# Altium PCB ARES_R06_Power.PcbDoc (part 1 of 4) (continued)
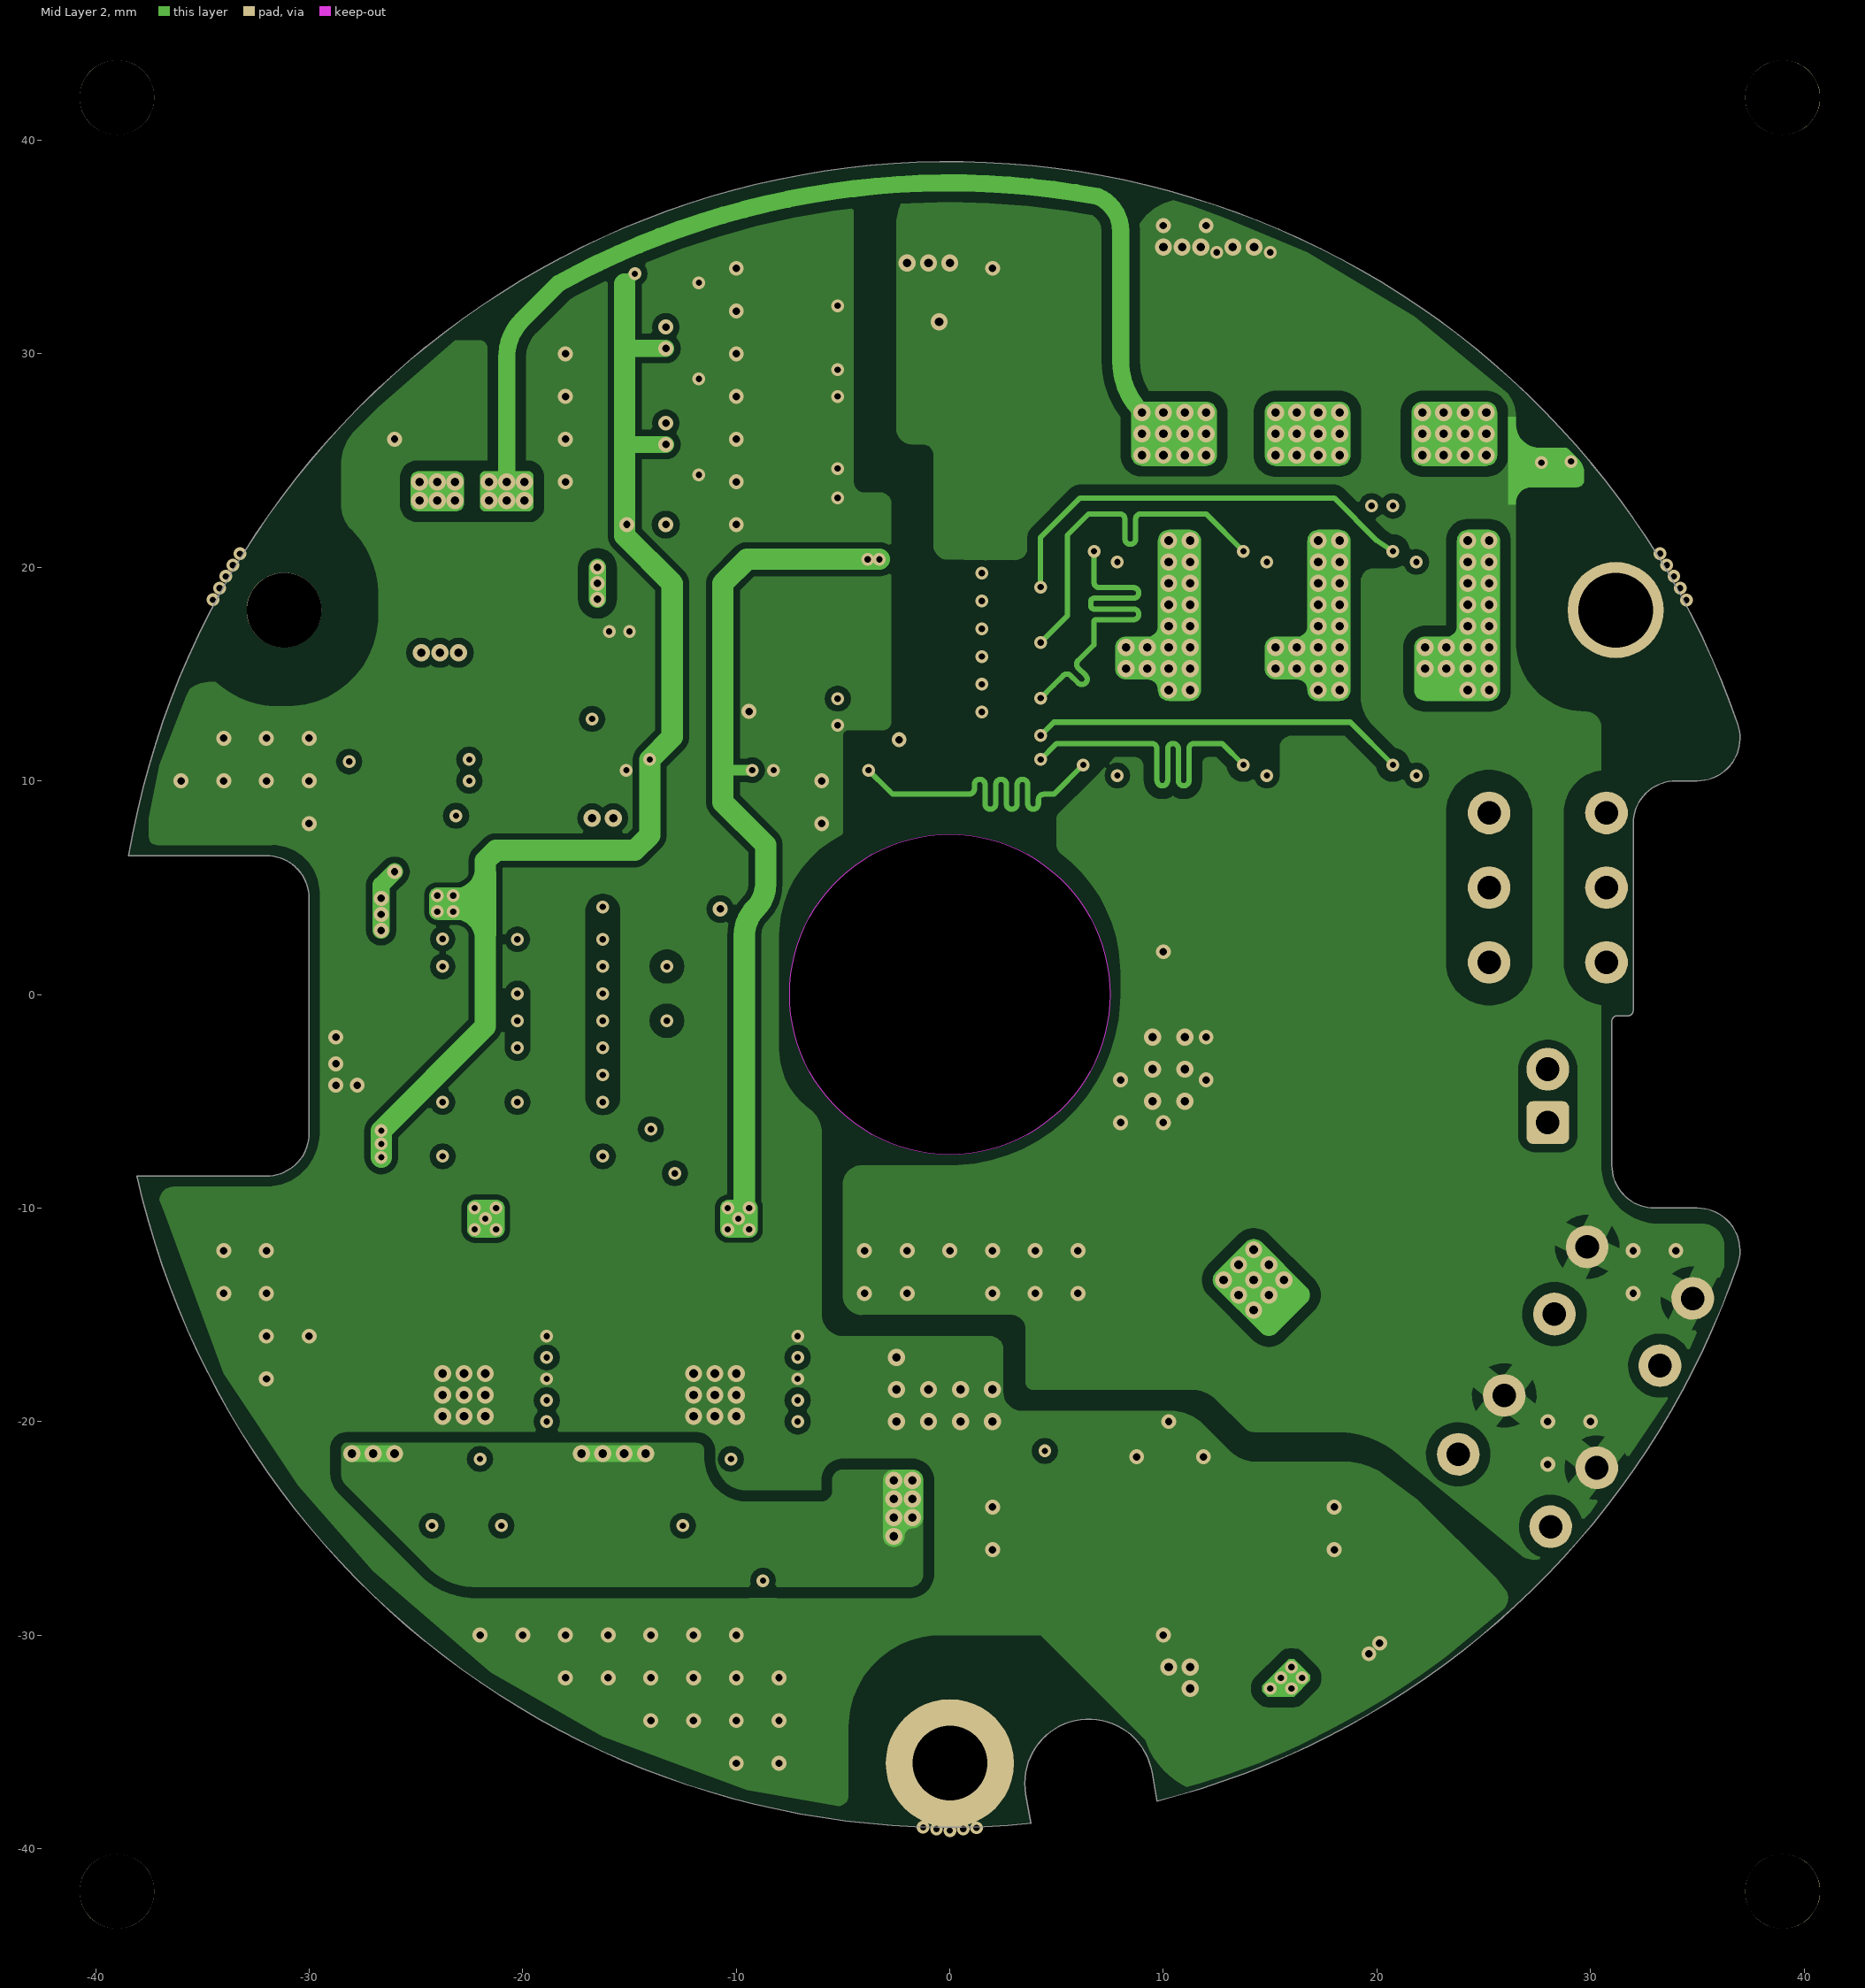
[diagram p3: Mid Layer 2]
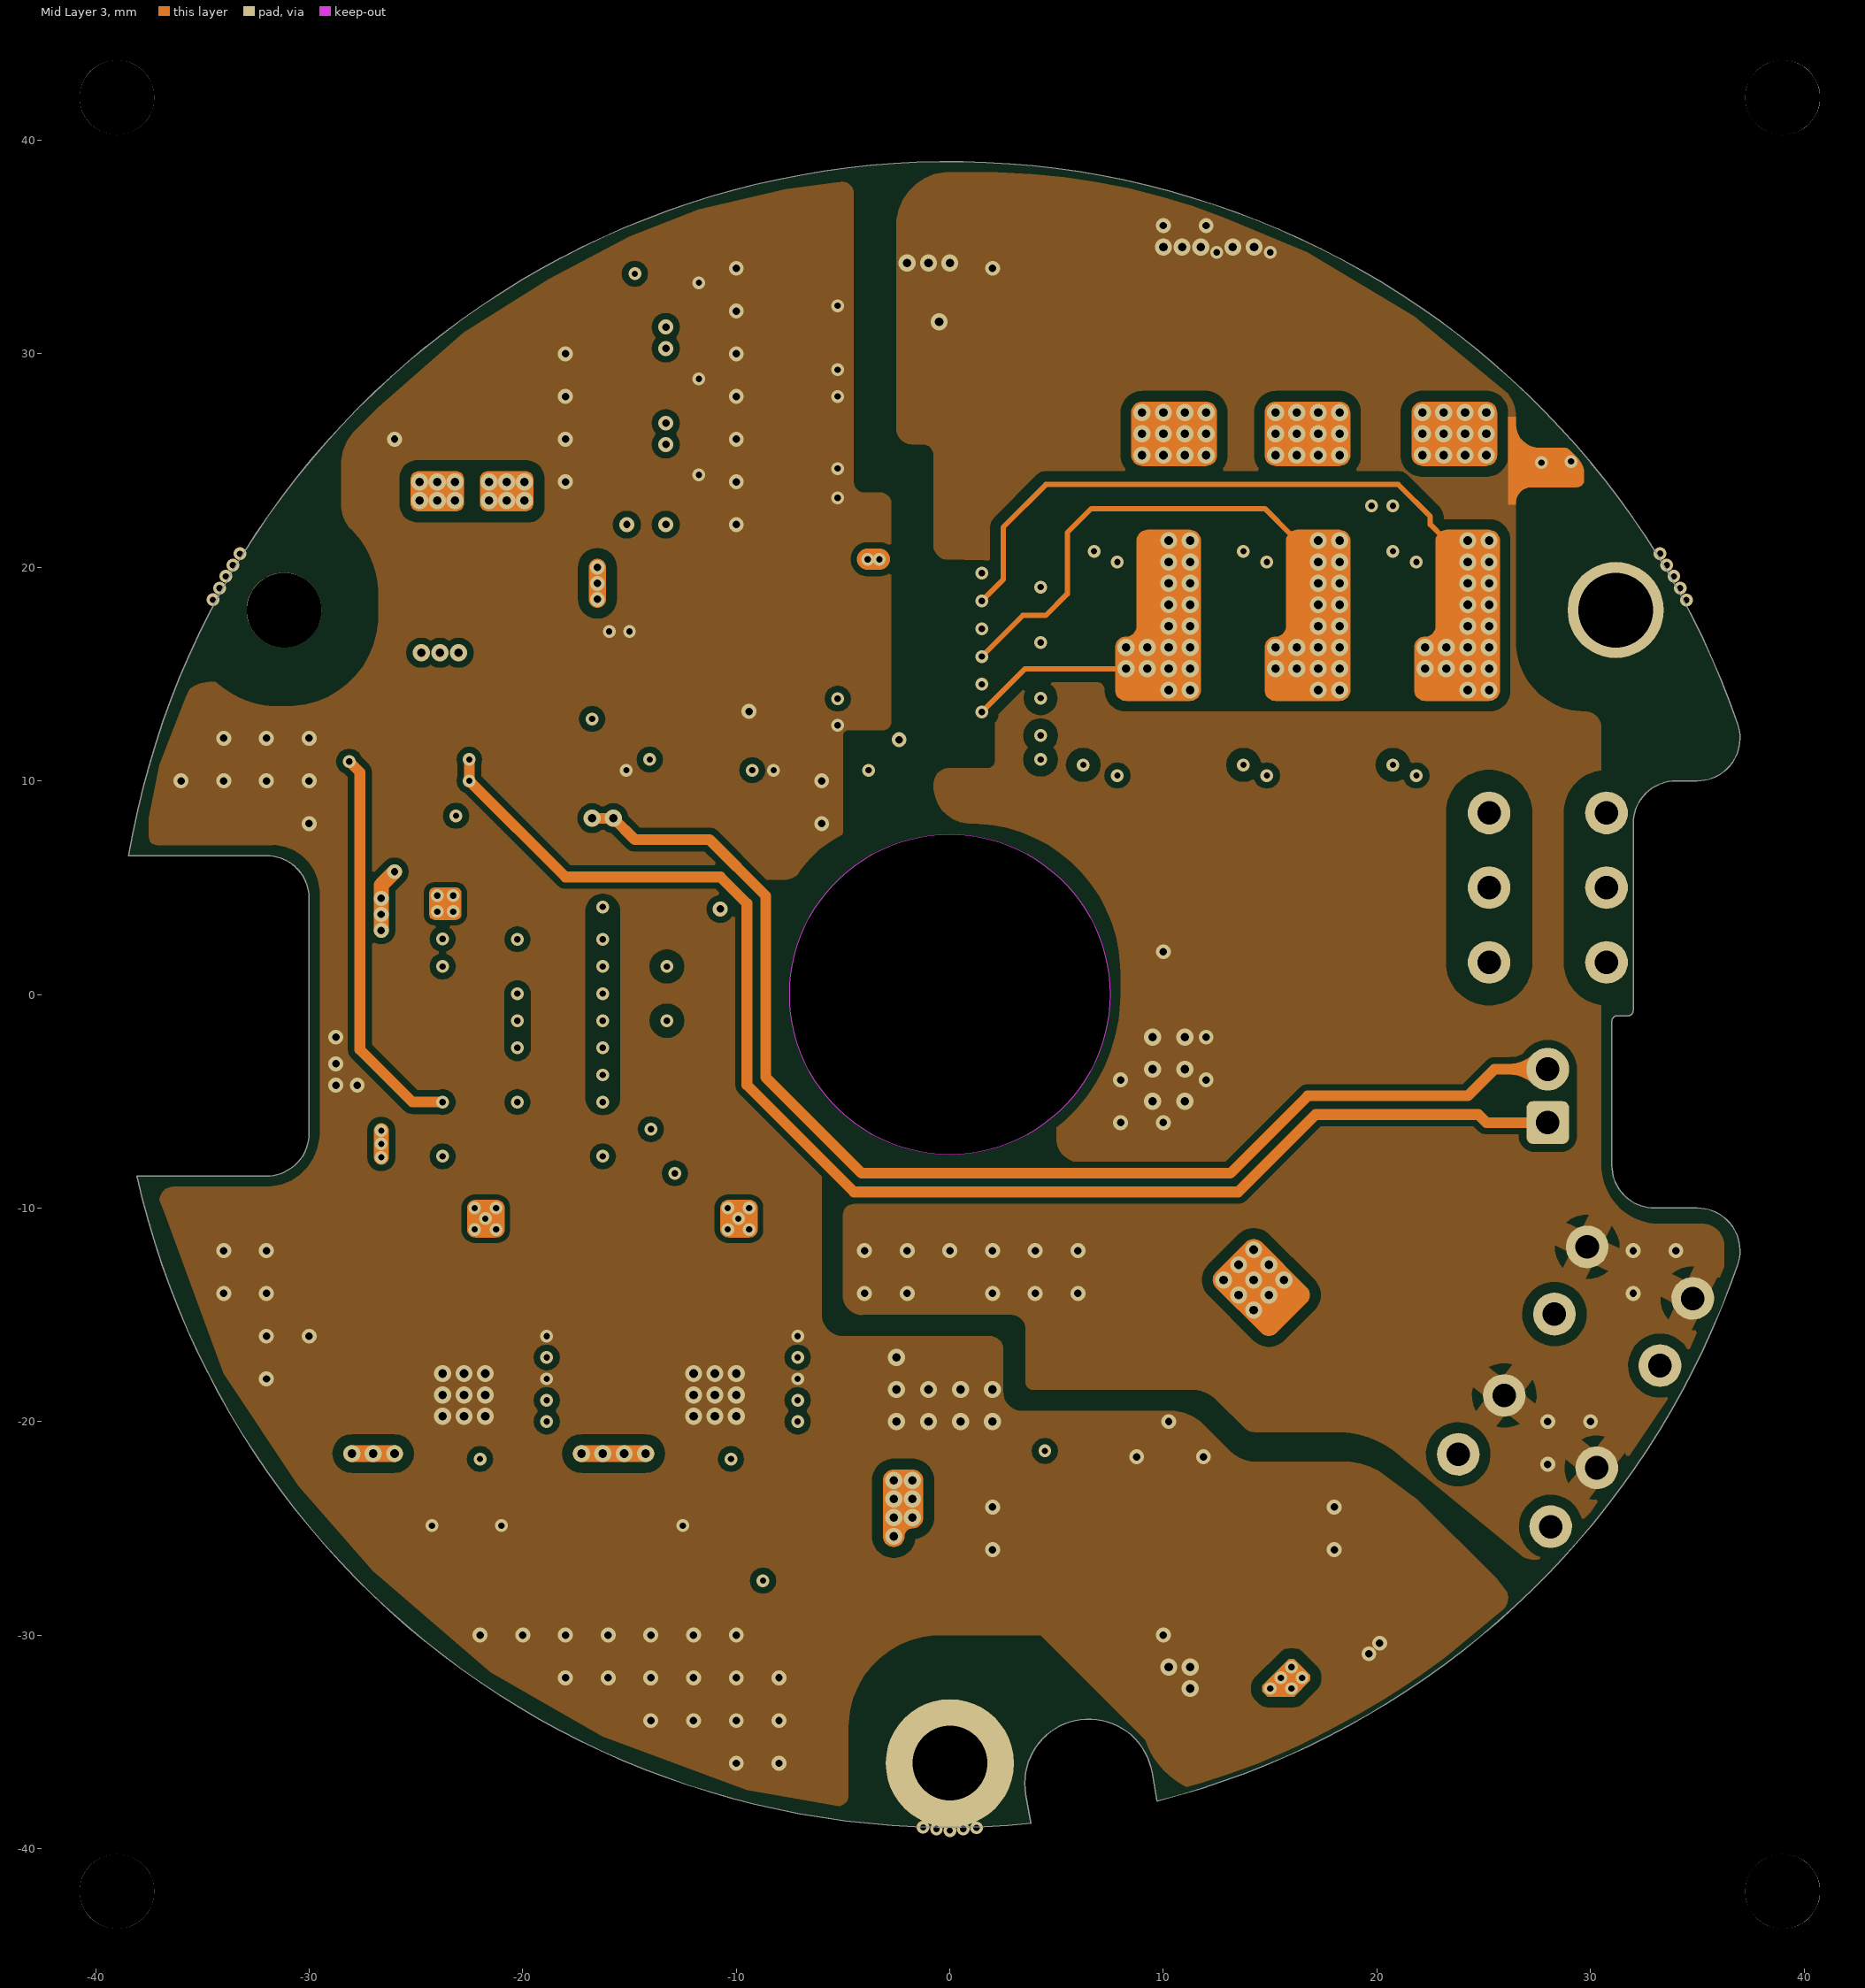
[diagram p4: Mid Layer 3]
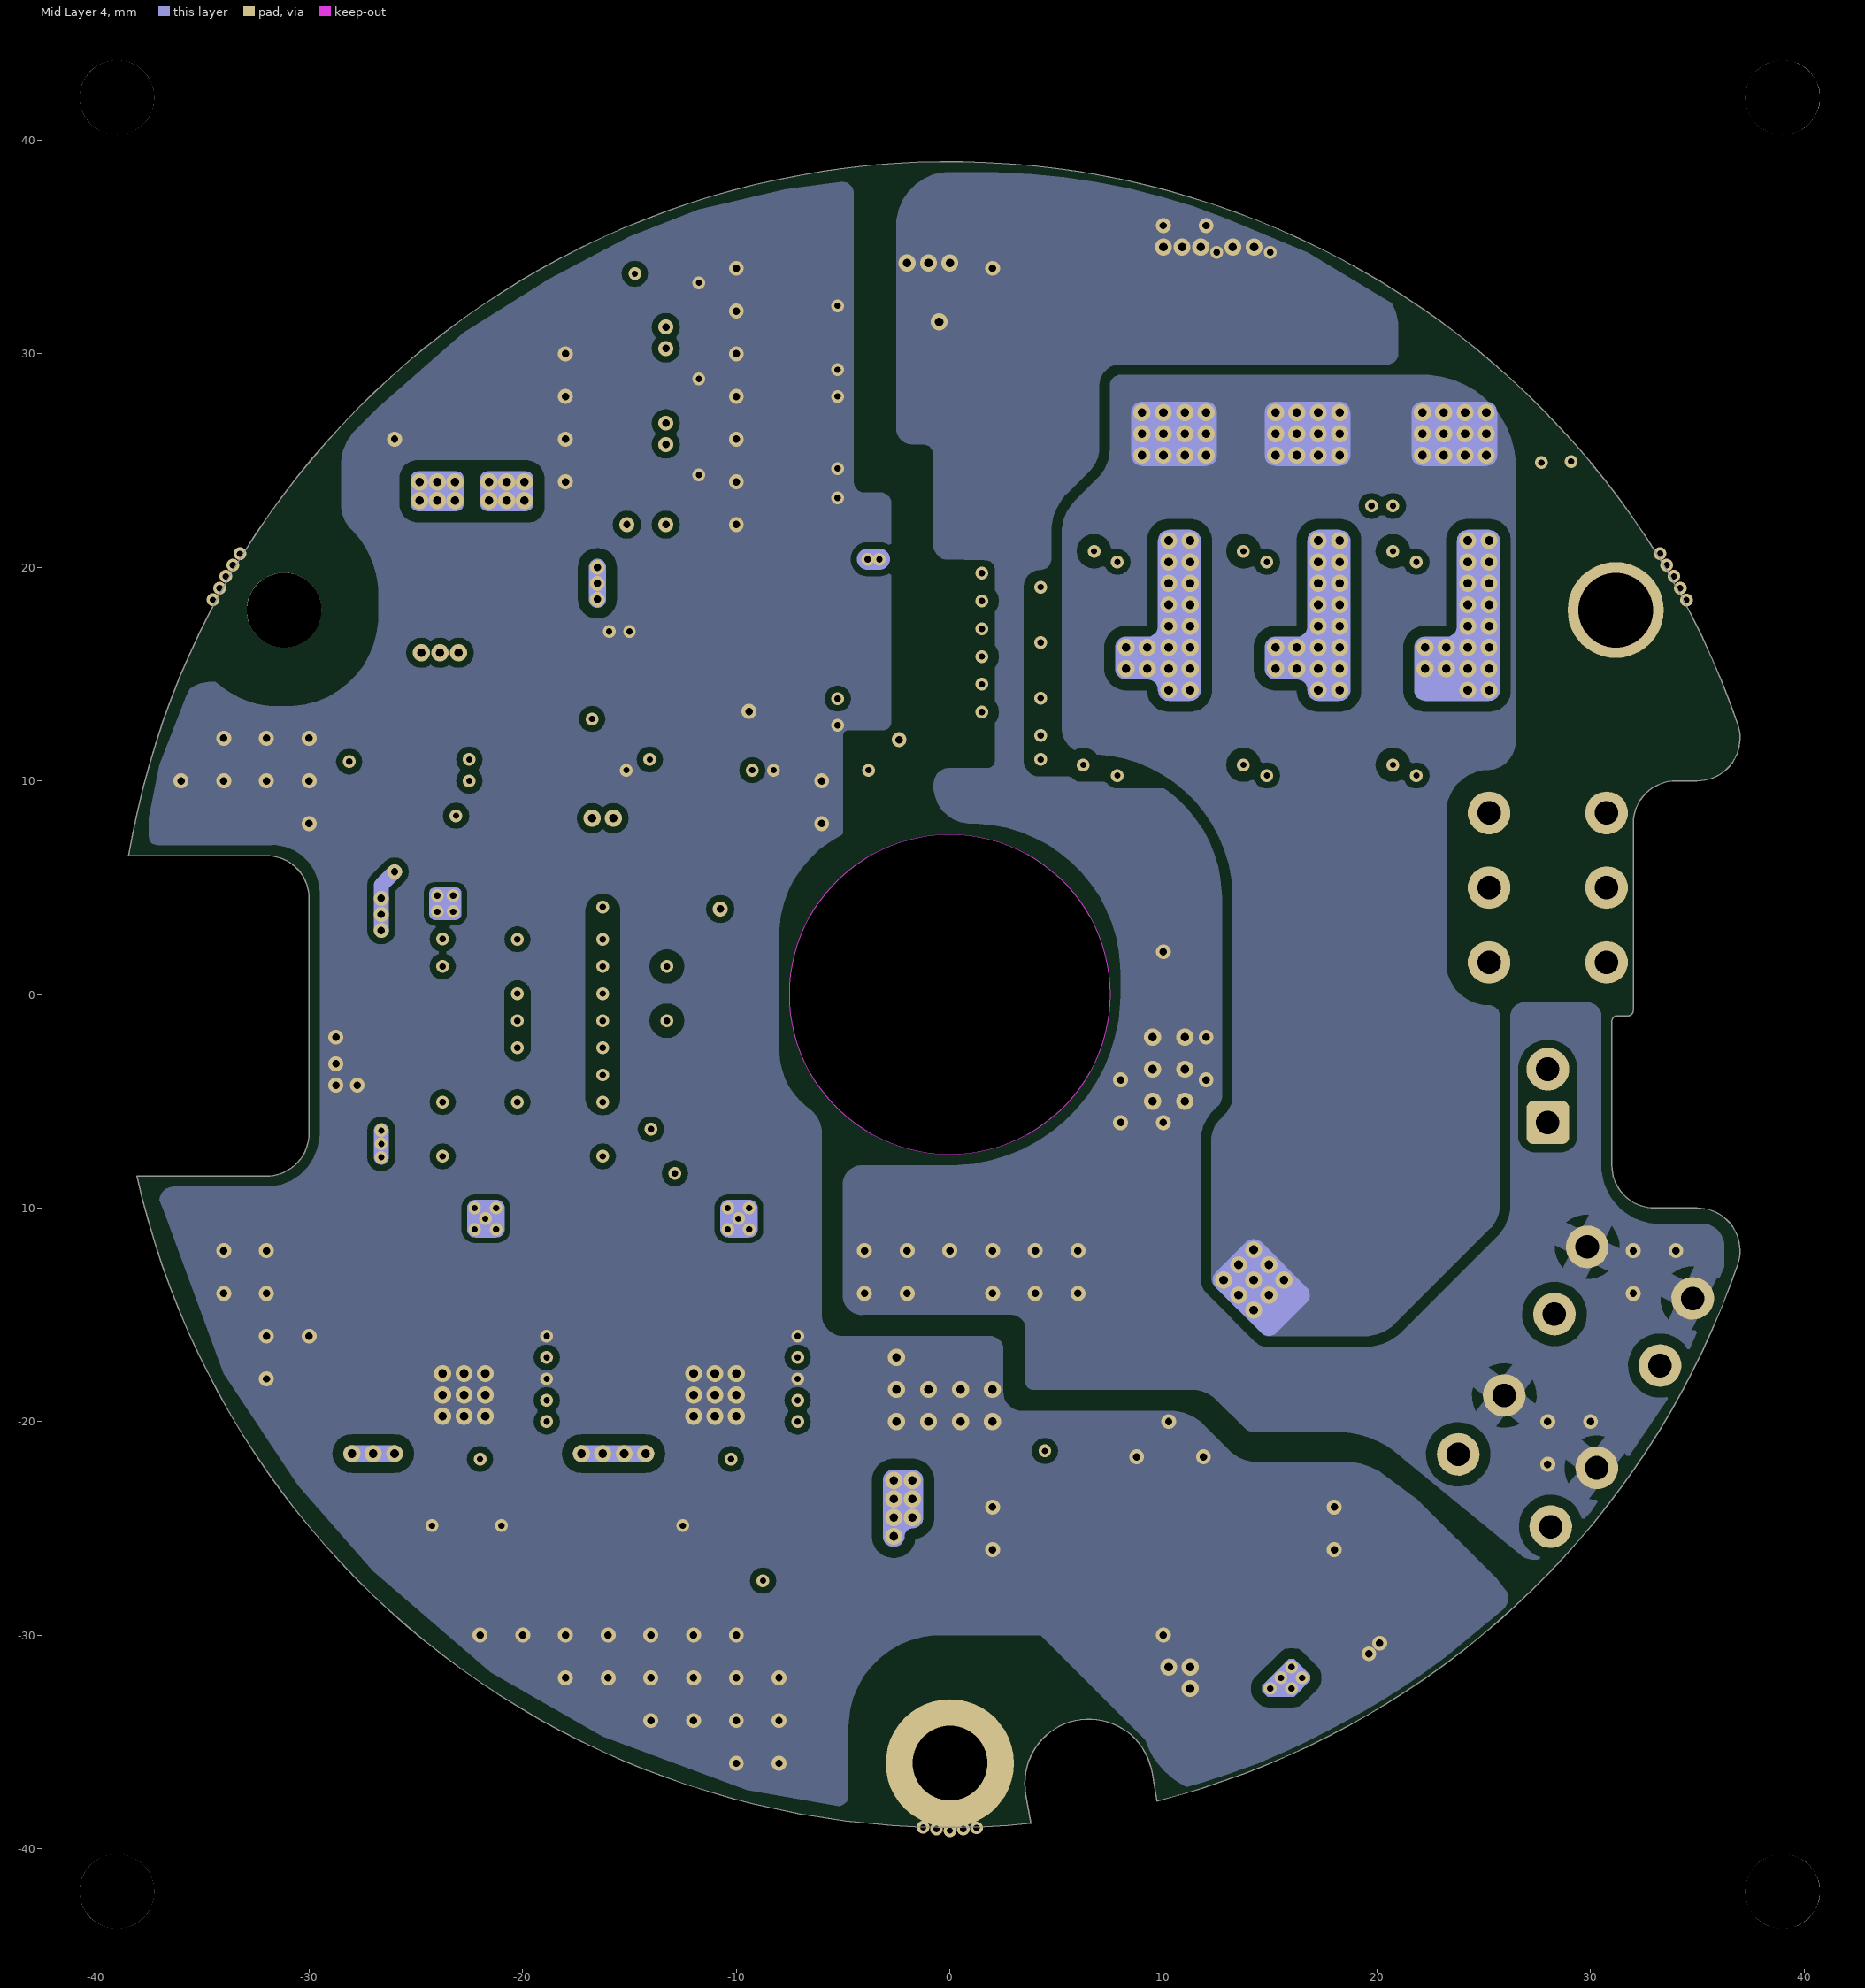
[diagram p5: Mid Layer 4]

## Layer stack, top to bottom
Top Solder: solder mask 0.01, Solder Resist, Dk 3.5
Top Layer: signal copper 0.035
Dielectric 1: prepreg 0.25, FR-4, Dk 4.2
Mid Layer 1: signal copper 0.035
Dielectric 3: core 0.25, Dk 4.2
Mid Layer 2: signal copper 0.035
Dielectric 4: prepreg 0.37, Dk 4.2
Mid Layer 3: signal copper 0.035
Dielectric 5: core 0.25, Dk 4.2
Mid Layer 4: signal copper 0.035
Dielectric 2: prepreg 0.25, Dk 4.2
Bottom Layer: signal copper 0.035
Bottom Solder: solder mask 0.01, Solder Resist, Dk 3.5

## Board outline
-38.062,-8.5 ccw(c0,0) 3.798,-38.815 3.557,-37.451 cw(c6.512,-36.93) 9.466,-36.409 9.707,-37.773 ccw(c0,0) 36.892,-12.649 ccw(c35,-12) 35,-10 33,-10 cw(c33,-8) 31,-8 31,-1.25 cw(c31.25,-1.25) 31.25,-1 31.75,-1 ccw(c31.75,-0.75) 32,-0.75 32,8 cw(c34,8) 34,10 35,10 ccw(c35,12) 36.892,12.649 ccw(c0,0) -38.455,6.5 -32,6.5 cw(c-32,4.5) -30,4.5 -30,-6.5 cw(c-32,-6.5) -32,-8.5
cut-out: 0,-7.5 cw(c0,0) -7.5,0 cw(c0,0) 0,7.5 cw(c0,0) 7.5,0 cw(c0,0)

## Design rules (kind name [scope] priority, off if disabled: settings)
Clearance Clearance_Mechanical4 [OnLayer('Mechanical 4') vs InPolygon] p1: gap=0.5 ignorepadtopadclearanceinfootprint=FALSE
Clearance Clearance_PWM [InNetClass('PWM') vs InPolygon] p2: gap=0.5 ignorepadtopadclearanceinfootprint=FALSE
Clearance Clearance_24V [InNet('V24in') OR InNet('NetC113_2') OR InNet('V24C') vs InPolygon] p3: gap=0.5 ignorepadtopadclearanceinfootprint=FALSE
Clearance Clearance_48V [InNet('V48in') OR InNet('V48P') OR InNet('NetDCLink_1') OR InNet('PGND') vs InPolygon] p4: gap=0.5 ignorepadtopadclearanceinfootprint=FALSE except(0: Arc-Hole Track-Hole SMDPad-Hole THPad-Hole Via-Hole Fill-Hole Poly-Hole Region-Hole Text-Hole)
Clearance Clearance_MOT [InNetClass('MOT_Nets') vs InPolygon] p5: gap=1 ignorepadtopadclearanceinfootprint=FALSE except(0: Arc-Hole Track-Hole SMDPad-Hole THPad-Hole Via-Hole Fill-Hole Poly-Hole Region-Hole Text-Hole)
Clearance Clearance_FG [InNet('FG') vs InPolygon] p6: gap=1 ignorepadtopadclearanceinfootprint=FALSE
Clearance Clearance_motor [InNetClass('PWM') vs InPolygon] p7: gap=0.65 ignorepadtopadclearanceinfootprint=FALSE
Clearance Clearance_Keepout [OnLayer('Keep-Out Layer') vs InPolygon] p8: gap=1 ignorepadtopadclearanceinfootprint=FALSE
Clearance Clearance_U7 [InComponent('U0101') or InComponent('U0202')] p9: gap=0.25 ignorepadtopadclearanceinfootprint=FALSE except(0.2: Arc-SMDPad Track-SMDPad Track-Via SMDPad-SMDPad; 0.35: Arc-Poly Track-Poly SMDPad-Poly THPad-Poly Via-Poly Fill-Poly Poly-Poly)
Clearance [All] p10: gap=0.2 ignorepadtopadclearanceinfootprint=FALSE except(0: Arc-Hole Track-Hole SMDPad-Hole THPad-Hole Via-Hole Fill-Hole Poly-Hole Region-Hole Text-Hole; 0.15: SMDPad-SMDPad; 0.25: Arc-Region Arc-Text Track-Region Track-Text SMDPad-Text THPad-Region THPad-Text Via-Region Via-Text Fill-Text Poly-Region Poly-Text Region-Region Region-Text Text-Text; 0.3: Arc-Poly Track-Poly SMDPad-Poly THPad-Poly Via-Poly Fill-Poly Poly-Poly)
DiffPairsRouting [All] p1: maxlimit=0.5 minlimit=0.25 mostfreqgap=0.254 toplayer_prefgap=0.35 toplayer_minwidth=0.25 toplayer_maxwidth=0.5 toplayer_prefwidth=0.35 midlayer1_mingap=0.254 midlayer1_maxgap=0.254 midlayer1_minwidth=0.381 midlayer1_maxwidth=0.381 midlayer1_prefwidth=0.381 midlayer2_mingap=0.254 midlayer2_maxgap=0.254 midlayer2_minwidth=0.381 midlayer2_maxwidth=0.381 midlayer2_prefwidth=0.381 midlayer3_mingap=0.254 midlayer3_maxgap=0.254 midlayer3_minwidth=0.381 midlayer3_maxwidth=0.381 midlayer3_prefwidth=0.381 midlayer4_mingap=0.254 midlayer4_maxgap=0.254 midlayer4_minwidth=0.381 midlayer4_maxwidth=0.381 midlayer4_prefwidth=0.381 bottomlayer_prefgap=0.35 bottomlayer_minwidth=0.25 bottomlayer_maxwidth=0.5 bottomlayer_prefwidth=0.35 substack1={D1FC8DB9-57B8-4EFE-B1BD-9587D9824D8E} toplayer_{d1fc8db9-57b8-4efe-b1bd-9587d9824d8e}_minwidth=0.381 toplayer_{d1fc8db9-57b8-4efe-b1bd-9587d9824d8e}_maxwidth=0.381 toplayer_{d1fc8db9-57b8-4efe-b1bd-9587d9824d8e}_prefwidth=0.381 midlayer1_{d1fc8db9-57b8-4efe-b1bd-9587d9824d8e}_minwidth=0.381 midlayer1_{d1fc8db9-57b8-4efe-b1bd-9587d9824d8e}_maxwidth=0.381 midlayer1_{d1fc8db9-57b8-4efe-b1bd-9587d9824d8e}_prefwidth=0.381 midlayer2_{d1fc8db9-57b8-4efe-b1bd-9587d9824d8e}_minwidth=0.381 midlayer2_{d1fc8db9-57b8-4efe-b1bd-9587d9824d8e}_maxwidth=0.381 midlayer2_{d1fc8db9-57b8-4efe-b1bd-9587d9824d8e}_prefwidth=0.381 midlayer3_{d1fc8db9-57b8-4efe-b1bd-9587d9824d8e}_minwidth=0.381 midlayer3_{d1fc8db9-57b8-4efe-b1bd-9587d9824d8e}_maxwidth=0.381 midlayer3_{d1fc8db9-57b8-4efe-b1bd-9587d9824d8e}_prefwidth=0.381 midlayer4_{d1fc8db9-57b8-4efe-b1bd-9587d9824d8e}_minwidth=0.381 midlayer4_{d1fc8db9-57b8-4efe-b1bd-9587d9824d8e}_maxwidth=0.381 midlayer4_{d1fc8db9-57b8-4efe-b1bd-9587d9824d8e}_prefwidth=0.381 bottomlayer_{d1fc8db9-57b8-4efe-b1bd-9587d9824d8e}_minwidth=0.381 bottomlayer_{d1fc8db9-57b8-4efe-b1bd-9587d9824d8e}_maxwidth=0.381 bottomlayer_{d1fc8db9-57b8-4efe-b1bd-9587d9824d8e}_prefwidth=0.381 maxuncoupledlength=0.5
HoleSize [All] p1 off: absolutevalues=TRUE maxlimit=3.5 minlimit=0.025 maxpercent=80.000 minpercent=20.000
HoleToHoleClearance [All] p1: gap=0.2 allowstackedmicrovias=TRUE
MinimumSolderMaskSliver [All] p1 off: minsoldermaskwidth=0.254
PasteMaskExpansion [All] p1 off: expansion=0
PlaneClearance PlaneClearance_Via [IsVia] p1: clearance=0.3
PlaneClearance [All] p2: clearance=0.5
PlaneConnect [All] p1: pad.planeconnectstyle=Relief pad.reliefexpansion=0.25 pad.reliefentries=4 pad.reliefconductorwidth=0.35 pad.reliefairgap=0.25 via.planeconnectstyle=Direct via.reliefexpansion=0.25 via.reliefentries=4 via.reliefconductorwidth=0.35 via.reliefairgap=0.25
PolygonConnect PolygonConnect_TB2 [InComponent('VPin') OR InComponent('VPout') or InComponent('VCout') or InComponent('VCin')] p1: thpad.connectstyle=Relief thpad.reliefconductorwidth=1.2 thpad.reliefentries=4 thpad.polygonreliefangle="90 Angle" thpad.airgapwidth=0.5 smdpad.connectstyle=Direct smdpad.reliefconductorwidth=0.254 smdpad.reliefentries=4 smdpad.polygonreliefangle="90 Angle" smdpad.airgapwidth=0.254 via.connectstyle=Direct via.reliefconductorwidth=0.254 via.reliefentries=4 via.polygonreliefangle="90 Angle" via.airgapwidth=0.254
PolygonConnect PolygonConnect_POWER [InNetClass('POWER')] p2: connectstyle=Direct reliefconductorwidth=0.254 reliefentries=4 polygonreliefangle="90 Angle" airgapwidth=0.254
PolygonConnect [All] p3: thpad.connectstyle=Relief thpad.reliefconductorwidth=0.35 thpad.reliefentries=4 thpad.polygonreliefangle="90 Angle" thpad.airgapwidth=0.3 smdpad.connectstyle=Relief smdpad.reliefconductorwidth=0.25 smdpad.reliefentries=4 smdpad.polygonreliefangle="90 Angle" smdpad.airgapwidth=0.3 via.connectstyle=Direct via.reliefconductorwidth=0.25 via.reliefentries=4 via.polygonreliefangle="90 Angle" via.airgapwidth=0.35
RoutingVias [All] p1: holewidth=0.35 width=0.7 viastyle="Through Hole" minholewidth=0.3 minwidth=0.6 maxholewidth=0.45 maxwidth=0.8
SilkToSilkClearance [All] p1: silktosilkclearance=0.01
SilkToSolderMaskClearance SilkscreenOverComponentPads [IsPad] p1 off: minsilkscreentomaskgap=0.01 clearancetoexposedcopper=TRUE
SolderMaskExpansion SolderMaskExpansion_Via [IsVia] p1: expansion=-0.5 istentingtop=FALSE
SolderMaskExpansion [All] p2: expansion=0.05 istentingtop=FALSE
Width [All] p1: maxlimit=2 minlimit=0.25 preferedwidth=0.5 substack1={D1FC8DB9-57B8-4EFE-B1BD-9587D9824D8E}
21 further rules are at their usual default settings.

## Classes and differential pairs
net class PWM: PH_U PH_V PH_W PWM_UN PWM_UNout PWM_UP PWM_UPout PWM_VN PWM_VNout PWM_VP PWM_VPout PWM_WN PWM_WNout PWM_WP PWM_WPout
net class R131A_Nets: FG PGND
net class C131A_Nets: FG PGND
net class C405_Nets: +12V DGND
net class C404_Nets: /FLT DGND
net class IW_Nets: IW
net class IV_Nets: IV
net class IU_Nets: IU
net class C454_Nets: PGND V48P
net class C453_Nets: PGND V48P
net class U401_Nets: +12V /FLT DGND DRV_COM NetC401_2 NetC421_1 NetC431_2 NetC441_2 NetU401_17 NetU401_21 NetU401_25 PH_U PH_V PH_W PWM_EN PWM_UN PWM_UNout PWM_UP PWM_UPout PWM_VN PWM_VNout PWM_VP PWM_VPout PWM_WN PWM_WNout PWM_WP PWM_WPout RCIN
net class /FLT_Nets: /FLT
net class BRK+_Nets: BRK+
net class BRK-_Nets: BRK-
net class BRK_Nets: BRK- NetBRK_1
net class BRK_ON_Nets: NetBRK_ON_1
net class C103_Nets: FG V48P
net class C104_Nets: FG PGND
net class C105_Nets: PGND V48P
net class C113_Nets: FG NetC113_2
net class C114_Nets: DGND FG
net class C115_Nets: DGND NetC113_2
net class C121_Nets: PGND V48P
net class C122_Nets: PGND V48P
net class C123_Nets: PGND V48P
net class C124_Nets: PGND V48P
net class C125_Nets: PGND V48P
net class C131_Nets: FG1 PGND
net class C201_Nets: DGND V24C
net class C202_Nets: DGND NetC202_1
net class C203_Nets: DGND NetC203_2
net class C211_Nets: DGND V24C
net class C212_Nets: DGND NetC212_1
net class C213_Nets: +12V DGND
net class C321_Nets: +3.3V AGND
net class C322_Nets: AGND AI_BRK_CUR
net class C323_Nets: AGND NetC323_1
net class C331_Nets: DGND NetC331_1
net class C341_Nets: DGND NetC341_1
net class C351_Nets: +5V DGND
net class C352_Nets: NetC352_1 NetC352_2
net class C353_Nets: +5V DGND
net class C354_Nets: +5V DGND
net class C355_Nets: NetC355_1 NetC355_2
net class C356_Nets: +5V DGND
net class C357_Nets: +5V DGND
net class C358_Nets: NetC358_1 NetC358_2
net class C359_Nets: +5V DGND
net class C401_Nets: DGND NetC401_2
net class C402_Nets: +12V DGND
net class C403_Nets: DGND RCIN
net class C421_Nets: NetC421_1 PH_U
net class C431_Nets: NetC431_2 PH_V
net class C441_Nets: NetC441_2 PH_W
net class C451_Nets: +5V DGND
net class C452_Nets: BRK+ PGND
net class CN01_Nets: +5V /FLT AGND AI_BRK_CUR AI_MOS AI_Vcon AI_Vdc DGND IU IV IW PWM_BRK PWM_EN PWM_UN PWM_UP PWM_VN PWM_VP PWM_WN PWM_WP V3_3D
net class Ctrl_Nets: NetC341_1 NetCtrl_1
net class D102_Nets: PGND V48P
net class D103_Nets: NetC113_2 V24C
net class D104_Nets: DGND NetC113_2
net class D401_Nets: NetD401_1 PWM_UPout
net class D402_Nets: NetD402_1 PWM_UNout
net class D403_Nets: NetD403_1 PWM_VPout
net class D404_Nets: NetD404_1 PWM_VNout
net class D405_Nets: NetD405_1 PWM_WPout
net class D406_Nets: NetD406_1 PWM_WNout
net class D451_Nets: BRK+ V48P
net class D453_Nets: BRK+ BRKOut
net class DCLink_Nets: NetC331_1 NetDCLink_1
net class DGND_Nets: DGND
net class F101_Nets: V48in V48P
net class F111_Nets: NetC113_2 V24in
net class F141_Nets: BRK+ NetBRK_1
net class FB211_Nets: +5V NetC203_2
net class FB241_Nets: +3.3V V3_3D
net class L102_Nets: AGND DGND
net class L103_Nets: DGND PGND
net class LDO3_3_Nets: +3.3V
net class M1_Nets: FG
net class MOT_Nets: MOT_U MOT_V MOT_W
net class PGND_Nets: PGND
net class Q421_Nets: NetQ421_4 PH_U V48P
net class Q422_Nets: DRV_COM NetQ422_4 PH_U
net class Q431_Nets: NetQ431_4 PH_V V48P
net class Q432_Nets: DRV_COM NetQ432_4 PH_V
net class Q441_Nets: NetQ441_4 PH_W V48P
net class Q442_Nets: DRV_COM NetQ442_4 PH_W
net class Q451_Nets: BRKOut NetBRK_ON_1 PGND